# Altium PCB Graviton-RB1.PcbDoc (part 7 of 11)
Units mil, origin at the board's own origin, x right, y up, seen from the top; angles counter-clockwise.
Board outline 7874.02 x 7874.02 mil, 10 copper layers (Top Layer, Internal Plane 1, Signal Layer 1, Internal Plane 2, Signal Layer 2, Signal Layer 3, Internal Plane 3, Signal Layer 4, Internal Plane 4, Bottom Layer), stack 65.914 mil thick; 1299 components, 1517 nets, 7968 pads, 1791 vias.
Unrouted connection lines stored in the file: 4618.
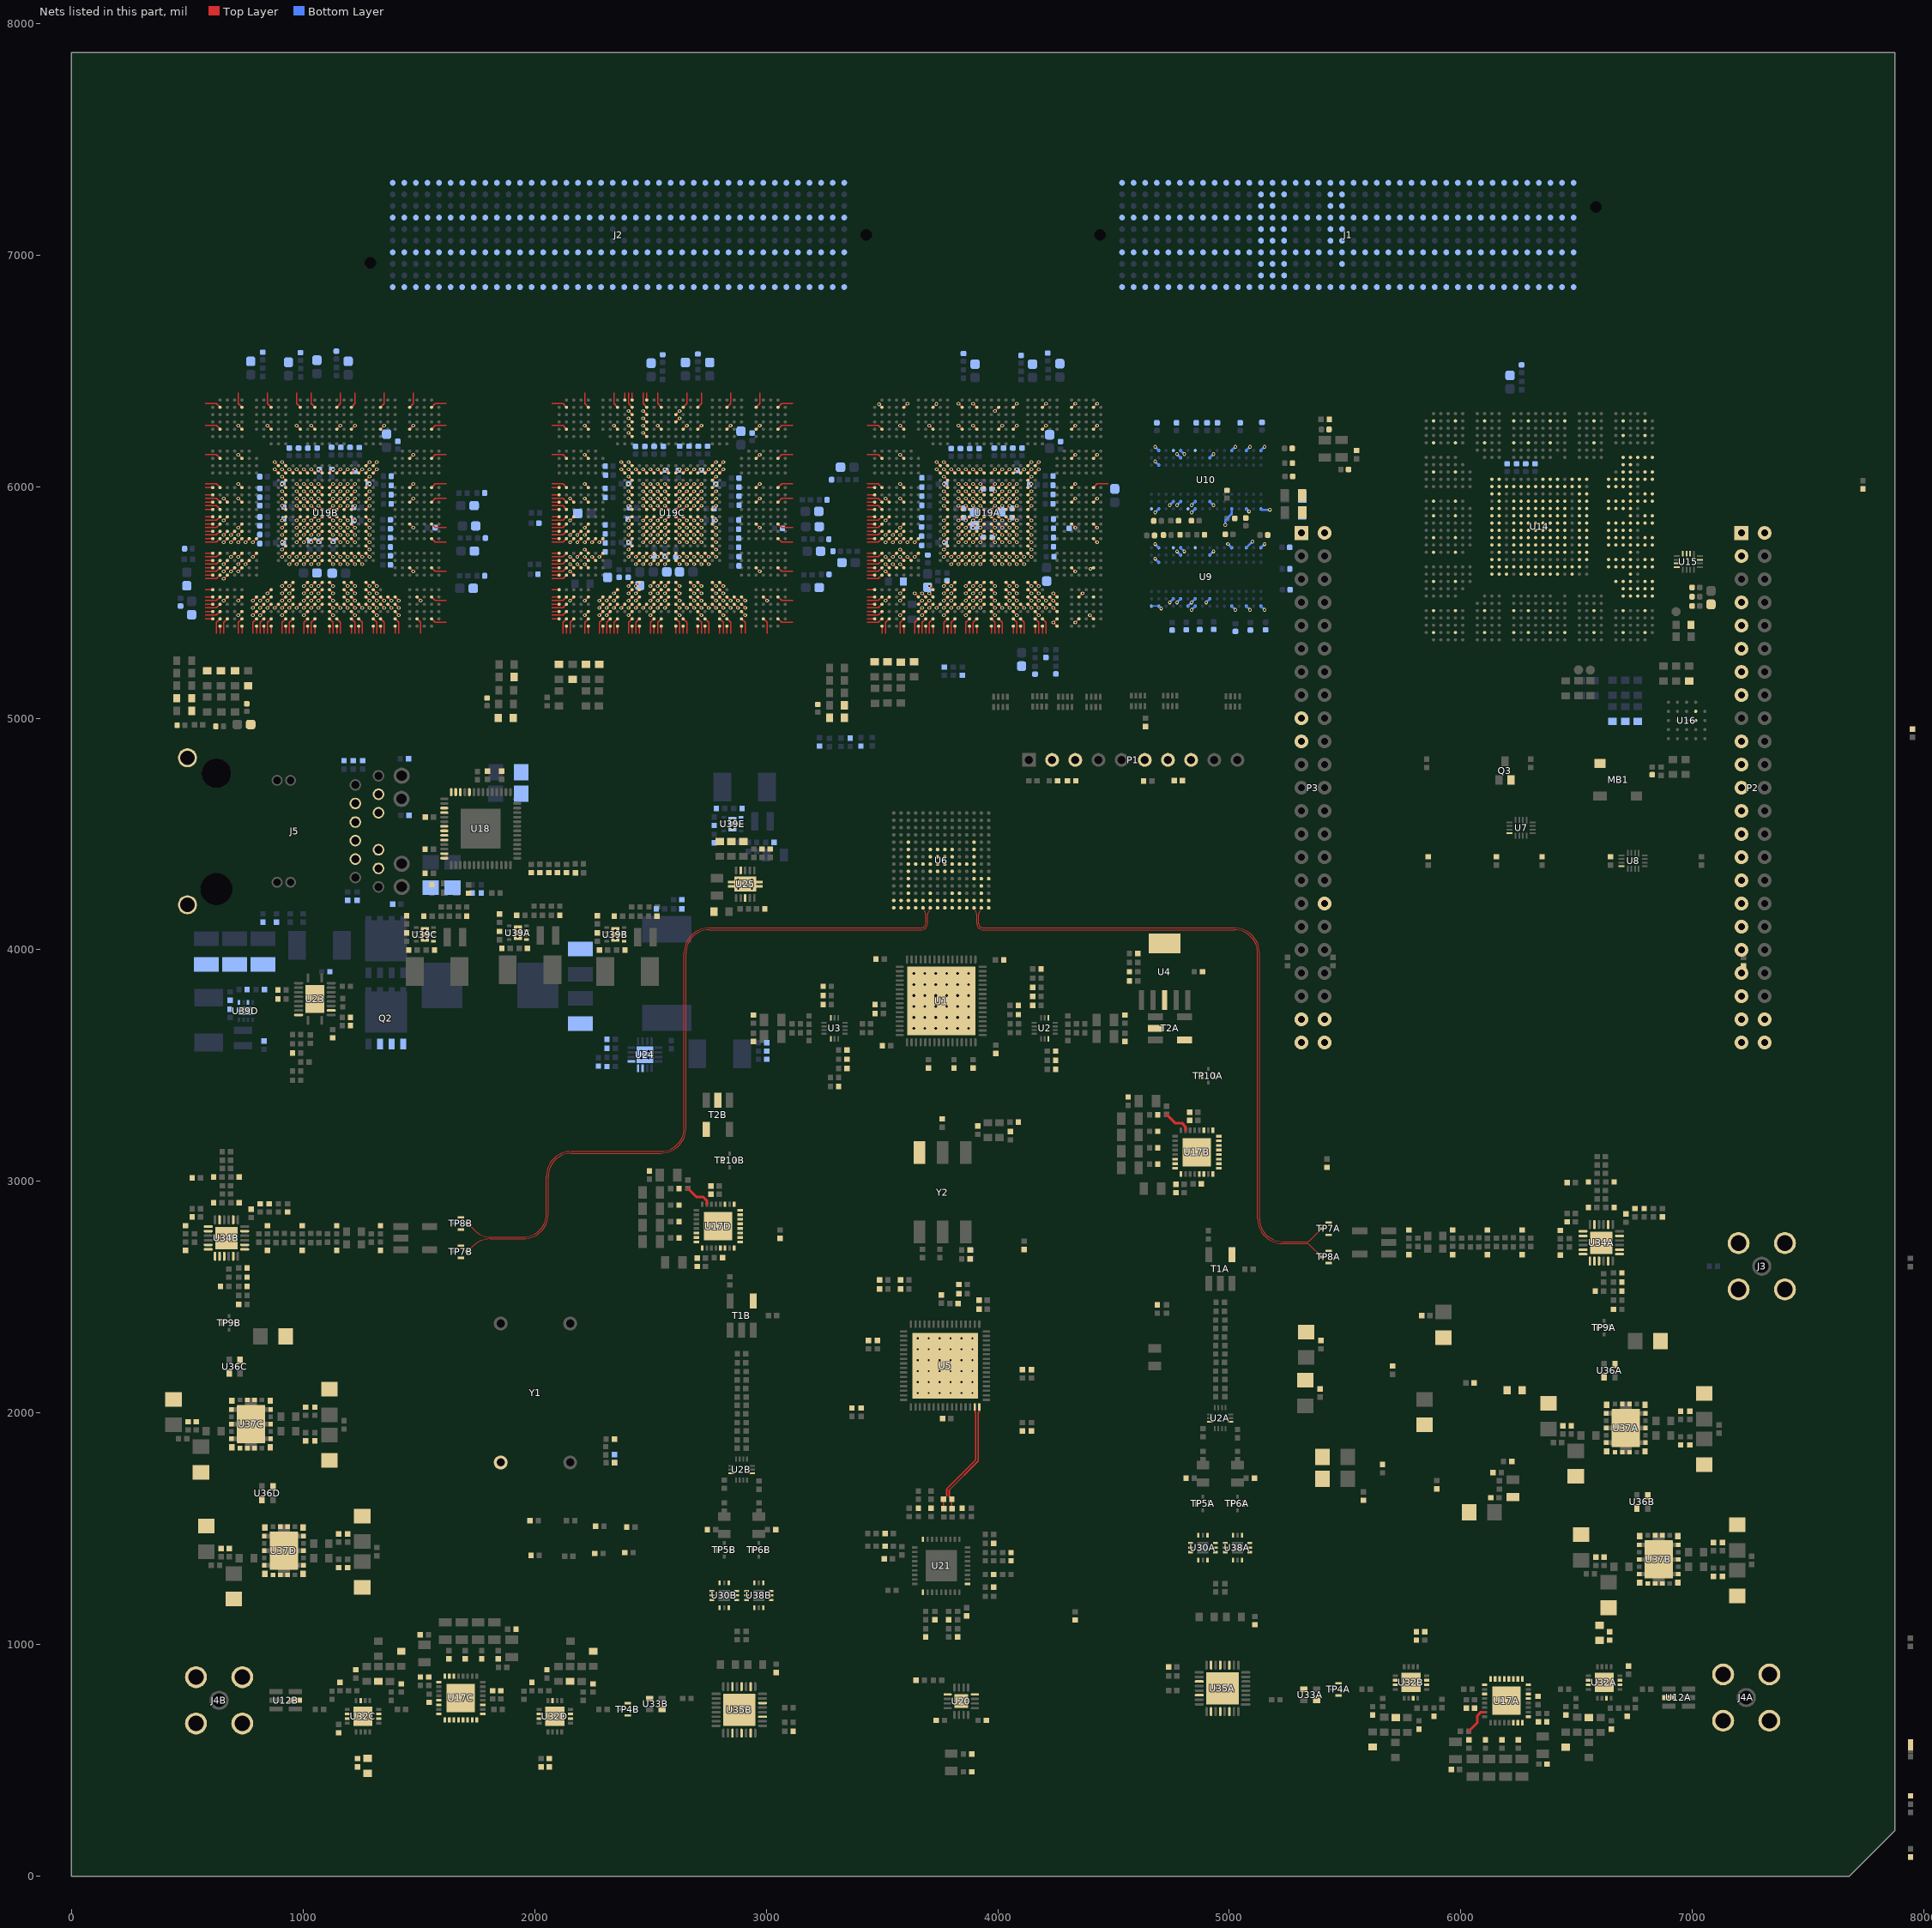
[diagram p15: the nets of this part, all layers, seen from the top]

## Via types
v1: diameter 16, hole 8, Top Layer to Bottom Layer, 1443 vias
v2: diameter 16, hole 8, Top Layer to Bottom Layer, tented top, 173 vias
v3: diameter 18, hole 8, Top Layer to Bottom Layer, 86 vias
v4: diameter 25.98, hole 8, Top Layer to Bottom Layer, tented top, 36 vias
v5: diameter 25.98, hole 12, Top Layer to Bottom Layer, tented top, 36 vias
v6: diameter 23.62, hole 11.81, Top Layer to Bottom Layer, 10 vias
v7: diameter 18, hole 8, Top Layer to Bottom Layer, tented bottom, 5 vias
v8: diameter 16, hole 8, Top Layer to Bottom Layer, tented both sides, 2 vias

## Nets (pads, with @x,y where several pads share a name; then routed paths per layer and width w, separated by ;. In a path a pad name is that pad's centre, name@x,y a point inside that pad or via, vN(x,y) a via of type N, cw(c..) or ccw(c..) an arc to the next point about the centre after c; other vN are vias at no path point) (continued)
GND: (continued)
  Top Layer w5: v1(720.47,5507.87) U19B.AH5@736.22,5523.62 ; v1(720.47,5633.86) U19B.AD5@736.22,5649.61 ; v1(720.47,5822.83) U19B.V5@736.22,5838.58 ; v1(720.47,5948.82) U19B.R5@736.22,5933.07 ; v1(720.47,6011.81) U19B.N5@736.22,5996.06 ; v1(720.47,6137.8) U19B.J5@736.22,6122.05 ; v1(720.47,6263.78) U19B.E5@736.22,6248.03 ; v1(783.46,5444.88) U19B.AK7@799.21,5460.63 ; v1(783.46,5476.38) U19B.AJ7@799.21,5492.13 ; v1(783.46,5507.87) U19B.AH7@799.21,5523.62 ; v1(814.96,5444.88) U19B.AK8@830.71,5460.63 ; v1(814.96,5476.38) U19B.AJ8@830.71,5492.13 ; v1(814.96,5507.87) U19B.AH8@830.71,5523.62 ; v1(846.46,5476.38) U19B.AJ9@862.2,5492.13 ; v1(846.46,5507.87) U19B.AH9@862.2,5523.62 ; v1(846.46,5539.37) U19B.AG9@862.2,5555.12 ; v1(846.46,6263.78) U19B.E9@862.2,6248.03 ; v1(877.95,5476.38) U19B.AJ10@893.7,5492.13 ; v1(877.95,6074.8) U19B.L10@893.7,6059.06 ; v1(877.95,6106.3) U19B.K10@893.7,6090.55 ; v1(909.45,5444.88) U19B.AK11@925.2,5460.63 ; v1(909.45,5476.38) U19B.AJ11@925.2,5492.13 ; v1(909.45,5507.87) U19B.AH11@925.2,5523.62 ; v1(909.45,5539.37) U19B.AG11@925.2,5555.12 ; v1(909.45,5570.87) U19B.AF11@925.2,5586.61 ; v1(909.45,5696.85) U19B.AB11@925.2,5712.6 ; v1(909.45,5728.35) U19B.AA11@925.2,5744.09 ; v1(909.45,5759.84) U19B.Y11@925.2,5775.59 ; v1(909.45,5791.34) U19B.W11@925.2,5807.09 ; v1(909.45,5822.83) U19B.V11@925.2,5838.58 ; v1(909.45,5854.33) U19B.U11@925.2,5870.08 ; v1(909.45,5917.32) U19B.T11@925.2,5901.57 ; v1(909.45,5948.82) U19B.R11@925.2,5933.07 ; v1(909.45,5980.32) U19B.P11@925.2,5964.57 ; v1(909.45,6011.81) U19B.N11@925.2,5996.06 ; v1(909.45,6043.31) U19B.M11@925.2,6027.56 ; v1(909.45,6074.8) U19B.L11@925.2,6059.06 ; v1(909.45,6106.3) U19B.K11@925.2,6090.55 ; v1(940.94,5476.38) U19B.AJ12@956.69,5492.13 ; v1(940.94,5507.87) U19B.AH12@956.69,5523.62 ; v1(940.94,5539.37) U19B.AG12@956.69,5555.12 ; v1(940.94,5570.87) U19B.AF12@956.69,5586.61 ; v1(940.94,5665.35) U19B.AC12@956.69,5681.1 ; v1(940.94,5696.85) U19B.AB12@956.69,5712.6 ; v1(940.94,6074.8) U19B.L12@956.69,6059.06 ; v1(972.44,5476.38) U19B.AJ13@988.19,5492.13 ; v1(972.44,5665.35) U19B.AC13@988.19,5681.1 ; v1(972.44,5696.85) U19B.AB13@988.19,5712.6 ; v1(972.44,5759.84) U19B.Y13@988.19,5775.59 ; v1(972.44,5791.34) U19B.W13@988.19,5807.09 ; v1(972.44,5822.83) U19B.V13@988.19,5838.58 ; v1(972.44,5854.33) U19B.U13@988.19,5870.08 ; v1(972.44,5917.32) U19B.T13@988.19,5901.57 ; v1(972.44,5948.82) U19B.R13@988.19,5933.07 ; v1(972.44,5980.32) U19B.P13@988.19,5964.57 ; v1(972.44,6011.81) U19B.N13@988.19,5996.06 ; v1(972.44,6074.8) U19B.L13@988.19,6059.06 ; v1(972.44,6263.78) U19B.E13@988.19,6248.03 ; v1(1003.94,5444.88) U19B.AK14@1019.68,5460.63 ; v1(1003.94,5476.38) U19B.AJ14@1019.68,5492.13 ; v1(1003.94,5507.87) U19B.AH14@1019.68,5523.62 ; v1(1003.94,5539.37) U19B.AG14@1019.68,5555.12 ; v1(1003.94,5570.87) U19B.AF14@1019.68,5586.61 ; v1(1003.94,5665.35) U19B.AC14@1019.68,5681.1 ; v1(1003.94,5696.85) U19B.AB14@1019.68,5712.6 ; v1(1003.94,5759.84) U19B.Y14@1019.68,5775.59 ; v1(1003.94,5791.34) U19B.W14@1019.68,5807.09 ; v1(1003.94,5822.83) U19B.V14@1019.68,5838.58 ; v1(1003.94,5854.33) U19B.U14@1019.68,5870.08 ; v1(1003.94,5917.32) U19B.T14@1019.68,5901.57 ; v1(1003.94,5948.82) U19B.R14@1019.68,5933.07 ; v1(1003.94,5980.32) U19B.P14@1019.68,5964.57 ; v1(1003.94,6011.81) U19B.N14@1019.68,5996.06 ; v1(1003.94,6074.8) U19B.L14@1019.68,6059.06 ; v1(1035.43,5476.38) U19B.AJ15@1051.18,5492.13 ; v1(1035.43,5507.87) U19B.AH15@1051.18,5523.62 ; v1(1035.43,5539.37) U19B.AG15@1051.18,5555.12 ; v1(1035.43,5570.87) U19B.AF15@1051.18,5586.61 ; v1(1035.43,5665.35) U19B.AC15@1051.18,5681.1 ; v1(1035.43,5696.85) U19B.AB15@1051.18,5712.6 ; v1(1035.43,5759.84) U19B.Y15@1051.18,5775.59 ; v1(1035.43,5791.34) U19B.W15@1051.18,5807.09 ; v1(1035.43,5822.83) U19B.V15@1051.18,5838.58 ; v1(1035.43,5854.33) U19B.U15@1051.18,5870.08 ; v1(1035.43,5917.32) U19B.T15@1051.18,5901.57 ; v1(1035.43,5948.82) U19B.R15@1051.18,5933.07 ; v1(1035.43,5980.32) U19B.P15@1051.18,5964.57 ; v1(1035.43,6011.81) U19B.N15@1051.18,5996.06 ; v1(1035.43,6074.8) U19B.L15@1051.18,6059.06 ; v1(1035.43,6263.78) U19B.E15@1051.18,6248.03 ; v1(1066.93,5476.38) U19B.AJ16@1082.68,5492.13 ; v1(1066.93,5507.87) U19B.AH16@1082.68,5523.62 ; v1(1066.93,5539.37) U19B.AG16@1082.68,5555.12 ; v1(1066.93,5570.87) U19B.AF16@1082.68,5586.61 ; v1(1066.93,5665.35) U19B.AC16@1082.68,5681.1 ; v1(1066.93,5696.85) U19B.AB16@1082.68,5712.6 ; v1(1066.93,5759.84) U19B.Y16@1082.68,5775.59 ; v1(1066.93,5791.34) U19B.W16@1082.68,5807.09 ; v1(1066.93,5822.83) U19B.V16@1082.68,5838.58 ; v1(1066.93,5854.33) U19B.U16@1082.68,5870.08 ; v1(1066.93,5917.32) U19B.T16@1082.68,5901.57 ; v1(1066.93,5948.82) U19B.R16@1082.68,5933.07 ; v1(1066.93,5980.32) U19B.P16@1082.68,5964.57 ; v1(1066.93,6011.81) U19B.N16@1082.68,5996.06 ; v1(1066.93,6074.8) U19B.L16@1082.68,6059.06 ; U19B.AK17@1114.17,5460.63 v1(1129.92,5444.88) ; U19B.AJ17@1114.17,5492.13 v1(1129.92,5476.38) ; U19B.AH17@1114.17,5523.62 v1(1129.92,5507.87) ; U19B.AG17@1114.17,5555.12 v1(1129.92,5539.37) ; U19B.AF17@1114.17,5586.61 v1(1129.92,5570.87) ; U19B.AC17@1114.17,5681.1 v1(1129.92,5665.35) ; U19B.AB17@1114.17,5712.6 v1(1129.92,5696.85) ; U19B.Y17@1114.17,5775.59 v1(1129.92,5759.84) ; U19B.W17@1114.17,5807.09 v1(1129.92,5791.34) ; U19B.V17@1114.17,5838.58 v1(1129.92,5822.83) ; U19B.U17@1114.17,5870.08 v1(1129.92,5854.33) ; U19B.T17@1114.17,5901.57 v1(1129.92,5917.32) ; U19B.R17@1114.17,5933.07 v1(1129.92,5948.82) ; U19B.P17@1114.17,5964.57 v1(1129.92,5980.32) ; U19B.N17@1114.17,5996.06 v1(1129.92,6011.81) ; U19B.L17@1114.17,6059.06 v1(1129.92,6074.8) ; U19B.AJ18@1145.67,5492.13 v1(1161.42,5476.38) ; U19B.AC18@1145.67,5681.1 v1(1161.42,5665.35) ; U19B.AB18@1145.67,5712.6 v1(1161.42,5696.85) ; U19B.Y18@1145.67,5775.59 v1(1161.42,5759.84) ; U19B.W18@1145.67,5807.09 v1(1161.42,5791.34) ; U19B.V18@1145.67,5838.58 v1(1161.42,5822.83) ; U19B.U18@1145.67,5870.08 v1(1161.42,5854.33) ; U19B.T18@1145.67,5901.57 v1(1161.42,5917.32) ; U19B.R18@1145.67,5933.07 v1(1161.42,5948.82) ; U19B.P18@1145.67,5964.57 v1(1161.42,5980.32) ; U19B.N18@1145.67,5996.06 v1(1161.42,6011.81) ; U19B.L18@1145.67,6059.06 v1(1161.42,6074.8) ; U19B.E18@1145.67,6248.03 v1(1161.42,6263.78) ; U19B.AJ19@1177.17,5492.13 v1(1192.91,5476.38) ; U19B.AH19@1177.17,5523.62 v1(1192.91,5507.87) ; U19B.AG19@1177.17,5555.12 v1(1192.91,5539.37) ; U19B.AF19@1177.17,5586.61 v1(1192.91,5570.87) ; U19B.AC19@1177.17,5681.1 v1(1192.91,5665.35) ; U19B.AB19@1177.17,5712.6 v1(1192.91,5696.85) ; U19B.Y19@1177.17,5775.59 v1(1192.91,5759.84) ; U19B.W19@1177.17,5807.09 v1(1192.91,5791.34) ; U19B.V19@1177.17,5838.58 v1(1192.91,5822.83) ; U19B.U19@1177.17,5870.08 v1(1192.91,5854.33) ; U19B.T19@1177.17,5901.57 v1(1192.91,5917.32) ; U19B.R19@1177.17,5933.07 v1(1192.91,5948.82) ; U19B.P19@1177.17,5964.57 v1(1192.91,5980.32) ; U19B.N19@1177.17,5996.06 v1(1192.91,6011.81) ; U19B.L19@1177.17,6059.06 v1(1192.91,6074.8) ; U19B.AK20@1208.66,5460.63 v1(1224.41,5444.88) ; U19B.AJ20@1208.66,5492.13 v1(1224.41,5476.38) ; U19B.AH20@1208.66,5523.62 v1(1224.41,5507.87) ; U19B.AG20@1208.66,5555.12 v1(1224.41,5539.37) ; U19B.AF20@1208.66,5586.61 v1(1224.41,5570.87) ; U19B.AC20@1208.66,5681.1 v1(1224.41,5665.35) ; U19B.AB20@1208.66,5712.6 v1(1224.41,5696.85) ; U19B.Y20@1208.66,5775.59 v1(1224.41,5759.84) ; U19B.W20@1208.66,5807.09 v1(1224.41,5791.34) ; U19B.V20@1208.66,5838.58 v1(1224.41,5822.83) ; U19B.U20@1208.66,5870.08 v1(1224.41,5854.33) ; U19B.T20@1208.66,5901.57 v1(1224.41,5917.32) ; U19B.R20@1208.66,5933.07 v1(1224.41,5948.82) ; U19B.P20@1208.66,5964.57 v1(1224.41,5980.32) ; U19B.N20@1208.66,5996.06 v1(1224.41,6011.81) ; U19B.L20@1208.66,6059.06 v1(1224.41,6074.8) ; U19B.E20@1208.66,6248.03 v1(1224.41,6263.78) ; U19B.AJ21@1240.16,5492.13 v1(1255.91,5476.38) ; U19B.AC21@1240.16,5681.1 v1(1255.91,5665.35) ; U19B.AB21@1240.16,5712.6 v1(1255.91,5696.85) ; U19B.L21@1240.16,6059.06 v1(1255.91,6074.8) ; U19B.AJ22@1271.65,5492.13 v1(1287.4,5476.38) ; U19B.AH22@1271.65,5523.62 v1(1287.4,5507.87) ; U19B.AG22@1271.65,5555.12 v1(1287.4,5539.37) ; U19B.AF22@1271.65,5586.61 v1(1287.4,5570.87) ; U19B.AB22@1271.65,5712.6 v1(1287.4,5696.85) ; U19B.AA22@1271.65,5744.09 v1(1287.4,5728.35) ; U19B.Y22@1271.65,5775.59 v1(1287.4,5759.84) ; U19B.W22@1271.65,5807.09 v1(1287.4,5791.34) ; U19B.V22@1271.65,5838.58 v1(1287.4,5822.83) ; U19B.U22@1271.65,5870.08 v1(1287.4,5854.33) ; U19B.T22@1271.65,5901.57 v1(1287.4,5917.32) ; U19B.R22@1271.65,5933.07 v1(1287.4,5948.82) ; U19B.P22@1271.65,5964.57 v1(1287.4,5980.32) ; U19B.N22@1271.65,5996.06 v1(1287.4,6011.81) ; U19B.M22@1271.65,6027.56 v1(1287.4,6043.31) ; U19B.L22@1271.65,6059.06 v1(1287.4,6074.8) ; U19B.K22@1271.65,6090.55 v1(1287.4,6106.3) ; U19B.AK23@1303.15,5460.63 v1(1318.9,5444.88) ; U19B.AJ23@1303.15,5492.13 v1(1318.9,5476.38) ; U19B.AH23@1303.15,5523.62 v1(1318.9,5507.87) ; U19B.AG23@1303.15,5555.12 v1(1318.9,5539.37) ; U19B.AF23@1303.15,5586.61 v1(1318.9,5570.87) ; U19B.L23@1303.15,6059.06 v1(1318.9,6074.8) ; U19B.K23@1303.15,6090.55 v1(1318.9,6106.3) ; U19B.AJ24@1334.65,5492.13 v1(1350.39,5476.38) ; U19B.AH24@1334.65,5523.62 v1(1350.39,5507.87) ; U19B.E24@1334.65,6248.03 v1(1350.39,6263.78) ; U19B.AJ25@1366.14,5492.13 v1(1381.89,5476.38) ; U19B.AH25@1366.14,5523.62 v1(1381.89,5507.87) ; U19B.AK26@1397.64,5460.63 v1(1413.39,5444.88) ; U19B.AJ26@1397.64,5492.13 v1(1413.39,5476.38) ; U19B.AH26@1397.64,5523.62 v1(1413.39,5507.87) ; U19B.AD28@1460.63,5649.61 v1(1476.38,5633.86) ; U19B.V28@1460.63,5838.58 v1(1476.38,5822.83) ; U19B.R28@1460.63,5933.07 v1(1476.38,5948.82) ; U19B.N28@1460.63,5996.06 v1(1476.38,6011.81) ; U19B.J28@1460.63,6122.05 v1(1476.38,6137.8) ; U19B.E28@1460.63,6248.03 v1(1476.38,6263.78) ; U19B.AH29@1492.13,5523.62 v1(1507.87,5507.87) ; v1(2216.54,5507.87) U19C.AH5@2232.28,5523.62 ; v1(2216.54,5665.35) U19C.AD5@2232.28,5649.61 ; v1(2216.54,5822.83) U19C.V5@2232.28,5838.58 ; v1(2216.54,5948.82) U19C.R5@2232.28,5933.07 ; v1(2216.54,6011.81) U19C.N5@2232.28,5996.06 ; v1(2216.54,6137.8) U19C.J5@2232.28,6122.05 ; v1(2216.54,6263.78) U19C.E5@2232.28,6248.03 ; v1(2279.53,5444.88) U19C.AK7@2295.28,5460.63 ; v1(2279.53,5476.38) U19C.AJ7@2295.28,5492.13 ; v1(2279.53,5507.87) U19C.AH7@2295.28,5523.62 ; v1(2311.02,5444.88) U19C.AK8@2326.77,5460.63 ; v1(2311.02,5476.38) U19C.AJ8@2326.77,5492.13 ; v1(2311.02,5507.87) U19C.AH8@2326.77,5523.62 ; v1(2342.52,5476.38) U19C.AJ9@2358.27,5492.13 ; v1(2342.52,5507.87) U19C.AH9@2358.27,5523.62 ; v1(2342.52,5539.37) U19C.AG9@2358.27,5555.12 ; v1(2342.52,6263.78) U19C.E9@2358.27,6248.03 ; v1(2374.02,5476.38) U19C.AJ10@2389.76,5492.13 ; v1(2374.02,6074.8) U19C.L10@2389.76,6059.06 ; v1(2374.02,6106.3) U19C.K10@2389.76,6090.55 ; v1(2405.51,5444.88) U19C.AK11@2421.26,5460.63 ; v1(2405.51,5476.38) U19C.AJ11@2421.26,5492.13 ; v1(2405.51,5507.87) U19C.AH11@2421.26,5523.62 ; v1(2405.51,5539.37) U19C.AG11@2421.26,5555.12 ; v1(2405.51,5570.87) U19C.AF11@2421.26,5586.61 ; v1(2405.51,5696.85) U19C.AB11@2421.26,5712.6 ; v1(2405.51,5728.35) U19C.AA11@2421.26,5744.09 ; v1(2405.51,5759.84) U19C.Y11@2421.26,5775.59 ; v1(2405.51,5791.34) U19C.W11@2421.26,5807.09 ; v1(2405.51,5822.83) U19C.V11@2421.26,5838.58 ; v1(2405.51,5854.33) U19C.U11@2421.26,5870.08 ; v1(2405.51,5917.32) U19C.T11@2421.26,5901.57 ; v1(2405.51,5948.82) U19C.R11@2421.26,5933.07 ; v1(2405.51,5980.32) U19C.P11@2421.26,5964.57 ; v1(2405.51,6011.81) U19C.N11@2421.26,5996.06 ; v1(2405.51,6043.31) U19C.M11@2421.26,6027.56 ; v1(2405.51,6074.8) U19C.L11@2421.26,6059.06 ; v1(2405.51,6106.3) U19C.K11@2421.26,6090.55 ; v1(2437.01,5476.38) U19C.AJ12@2452.76,5492.13 ; v1(2437.01,5507.87) U19C.AH12@2452.76,5523.62 ; v1(2437.01,5539.37) U19C.AG12@2452.76,5555.12 ; v1(2437.01,5570.87) U19C.AF12@2452.76,5586.61 ; v1(2437.01,5665.35) U19C.AC12@2452.76,5681.1 ; v1(2437.01,5696.85) U19C.AB12@2452.76,5712.6 ; v1(2437.01,6074.8) U19C.L12@2452.76,6059.06 ; v1(2468.5,5476.38) U19C.AJ13@2484.25,5492.13 ; v1(2468.5,5665.35) U19C.AC13@2484.25,5681.1 ; v1(2468.5,5696.85) U19C.AB13@2484.25,5712.6 ; v1(2468.5,5759.84) U19C.Y13@2484.25,5775.59 ; v1(2468.5,5791.34) U19C.W13@2484.25,5807.09 ; v1(2468.5,5822.83) U19C.V13@2484.25,5838.58 ; v1(2468.5,5854.33) U19C.U13@2484.25,5870.08 ; v1(2468.5,5917.32) U19C.T13@2484.25,5901.57 ; v1(2468.5,5948.82) U19C.R13@2484.25,5933.07 ; v1(2468.5,5980.32) U19C.P13@2484.25,5964.57 ; v1(2468.5,6011.81) U19C.N13@2484.25,5996.06 ; v1(2468.5,6074.8) U19C.L13@2484.25,6059.06 ; v1(2468.5,6263.78) U19C.E13@2484.25,6248.03 ; v1(2500,5444.88) U19C.AK14@2515.75,5460.63 ; v1(2500,5476.38) U19C.AJ14@2515.75,5492.13 ; v1(2500,5507.87) U19C.AH14@2515.75,5523.62 ; v1(2500,5539.37) U19C.AG14@2515.75,5555.12 ; v1(2500,5570.87) U19C.AF14@2515.75,5586.61 ; v1(2500,5665.35) U19C.AC14@2515.75,5681.1 ; v1(2500,5696.85) U19C.AB14@2515.75,5712.6 ; v1(2500,5759.84) U19C.Y14@2515.75,5775.59 ; v1(2500,5791.34) U19C.W14@2515.75,5807.09 ; v1(2500,5822.83) U19C.V14@2515.75,5838.58 ; v1(2500,5854.33) U19C.U14@2515.75,5870.08 ; v1(2500,5917.32) U19C.T14@2515.75,5901.57 ; v1(2500,5948.82) U19C.R14@2515.75,5933.07 ; v1(2500,5980.32) U19C.P14@2515.75,5964.57 ; v1(2500,6011.81) U19C.N14@2515.75,5996.06 ; v1(2500,6074.8) U19C.L14@2515.75,6059.06 ; v1(2531.5,5476.38) U19C.AJ15@2547.24,5492.13 ; v1(2531.5,5507.87) U19C.AH15@2547.24,5523.62 ; v1(2531.5,5539.37) U19C.AG15@2547.24,5555.12 ; v1(2531.5,5570.87) U19C.AF15@2547.24,5586.61 ; v1(2531.5,5665.35) U19C.AC15@2547.24,5681.1 ; v1(2531.5,5696.85) U19C.AB15@2547.24,5712.6 ; v1(2531.5,5759.84) U19C.Y15@2547.24,5775.59 ; v1(2531.5,5791.34) U19C.W15@2547.24,5807.09 ; v1(2531.5,5822.83) U19C.V15@2547.24,5838.58 ; v1(2531.5,5854.33) U19C.U15@2547.24,5870.08 ; v1(2531.5,5917.32) U19C.T15@2547.24,5901.57 ; v1(2531.5,5948.82) U19C.R15@2547.24,5933.07 ; v1(2531.5,5980.32) U19C.P15@2547.24,5964.57 ; v1(2531.5,6011.81) U19C.N15@2547.24,5996.06 ; v1(2531.5,6074.8) U19C.L15@2547.24,6059.06 ; v1(2531.5,6263.78) U19C.E15@2547.24,6248.03 ; v1(2562.99,5476.38) U19C.AJ16@2578.74,5492.13 ; v1(2562.99,5507.87) U19C.AH16@2578.74,5523.62 ; v1(2562.99,5539.37) U19C.AG16@2578.74,5555.12 ; v1(2562.99,5570.87) U19C.AF16@2578.74,5586.61 ; v1(2562.99,5665.35) U19C.AC16@2578.74,5681.1 ; v1(2562.99,5696.85) U19C.AB16@2578.74,5712.6 ; v1(2562.99,5759.84) U19C.Y16@2578.74,5775.59 ; v1(2562.99,5791.34) U19C.W16@2578.74,5807.09 ; v1(2562.99,5822.83) U19C.V16@2578.74,5838.58 ; v1(2562.99,5854.33) U19C.U16@2578.74,5870.08 ; v1(2562.99,5917.32) U19C.T16@2578.74,5901.57 ; v1(2562.99,5948.82) U19C.R16@2578.74,5933.07 ; v1(2562.99,5980.32) U19C.P16@2578.74,5964.57 ; v1(2562.99,6011.81) U19C.N16@2578.74,5996.06 ; v1(2562.99,6074.8) U19C.L16@2578.74,6059.06 ; U19C.AK17@2610.24,5460.63 v1(2625.98,5444.88) ; U19C.AJ17@2610.24,5492.13 v1(2625.98,5476.38) ; U19C.AH17@2610.24,5523.62 v1(2625.98,5507.87) ; U19C.AG17@2610.24,5555.12 v1(2625.98,5539.37) ; U19C.AF17@2610.24,5586.61 v1(2625.98,5570.87) ; U19C.AC17@2610.24,5681.1 v1(2625.98,5665.35) ; U19C.AB17@2610.24,5712.6 v1(2625.98,5696.85) ; U19C.Y17@2610.24,5775.59 v1(2625.98,5759.84) ; U19C.W17@2610.24,5807.09 v1(2625.98,5791.34) ; U19C.V17@2610.24,5838.58 v1(2625.98,5822.83) ; U19C.U17@2610.24,5870.08 v1(2625.98,5854.33) ; U19C.T17@2610.24,5901.57 v1(2625.98,5917.32) ; U19C.R17@2610.24,5933.07 v1(2625.98,5948.82) ; U19C.P17@2610.24,5964.57 v1(2625.98,5980.32) ; U19C.N17@2610.24,5996.06 v1(2625.98,6011.81) ; U19C.L17@2610.24,6059.06 v1(2625.98,6074.8) ; U19C.AJ18@2641.73,5492.13 v1(2657.48,5476.38) ; U19C.AC18@2641.73,5681.1 v1(2657.48,5665.35) ; U19C.AB18@2641.73,5712.6 v1(2657.48,5696.85) ; U19C.Y18@2641.73,5775.59 v1(2657.48,5759.84) ; U19C.W18@2641.73,5807.09 v1(2657.48,5791.34) ; U19C.V18@2641.73,5838.58 v1(2657.48,5822.83) ; U19C.U18@2641.73,5870.08 v1(2657.48,5854.33) ; U19C.T18@2641.73,5901.57 v1(2657.48,5917.32) ; U19C.R18@2641.73,5933.07 v1(2657.48,5948.82) ; U19C.P18@2641.73,5964.57 v1(2657.48,5980.32) ; U19C.N18@2641.73,5996.06 v1(2657.48,6011.81) ; U19C.L18@2641.73,6059.06 v1(2657.48,6074.8) ; U19C.E18@2641.73,6248.03 v1(2657.48,6263.78) ; U19C.AJ19@2673.23,5492.13 v1(2688.98,5476.38) ; U19C.AH19@2673.23,5523.62 v1(2688.98,5507.87) ; U19C.AG19@2673.23,5555.12 v1(2688.98,5539.37) ; U19C.AF19@2673.23,5586.61 v1(2688.98,5570.87) ; U19C.AC19@2673.23,5681.1 v1(2688.98,5665.35) ; U19C.AB19@2673.23,5712.6 v1(2688.98,5696.85) ; U19C.Y19@2673.23,5775.59 v1(2688.98,5759.84) ; U19C.W19@2673.23,5807.09 v1(2688.98,5791.34) ; U19C.V19@2673.23,5838.58 v1(2688.98,5822.83) ; U19C.U19@2673.23,5870.08 v1(2688.98,5854.33) ; U19C.T19@2673.23,5901.57 v1(2688.98,5917.32) ; U19C.R19@2673.23,5933.07 v1(2688.98,5948.82) ; U19C.P19@2673.23,5964.57 v1(2688.98,5980.32) ; U19C.N19@2673.23,5996.06 v1(2688.98,6011.81) ; U19C.L19@2673.23,6059.06 v1(2688.98,6074.8) ; U19C.AK20@2704.72,5460.63 v1(2720.47,5444.88) ; U19C.AJ20@2704.72,5492.13 v1(2720.47,5476.38) ; U19C.AH20@2704.72,5523.62 v1(2720.47,5507.87) ; U19C.AG20@2704.72,5555.12 v1(2720.47,5539.37) ; U19C.AF20@2704.72,5586.61 v1(2720.47,5570.87) ; U19C.AC20@2704.72,5681.1 v1(2720.47,5665.35) ; U19C.AB20@2704.72,5712.6 v1(2720.47,5696.85) ; U19C.Y20@2704.72,5775.59 v1(2720.47,5759.84) ; U19C.W20@2704.72,5807.09 v1(2720.47,5791.34) ; U19C.V20@2704.72,5838.58 v1(2720.47,5822.83) ; U19C.U20@2704.72,5870.08 v1(2720.47,5854.33) ; U19C.T20@2704.72,5901.57 v1(2720.47,5917.32) ; U19C.R20@2704.72,5933.07 v1(2720.47,5948.82) ; U19C.P20@2704.72,5964.57 v1(2720.47,5980.32) ; U19C.N20@2704.72,5996.06 v1(2720.47,6011.81) ; U19C.L20@2704.72,6059.06 v1(2720.47,6074.8) ; U19C.E20@2704.72,6248.03 v1(2720.47,6263.78) ; U19C.AJ21@2736.22,5492.13 v1(2751.97,5476.38) ; U19C.AC21@2736.22,5681.1 v1(2751.97,5665.35) ; U19C.AB21@2736.22,5712.6 v1(2751.97,5696.85) ; U19C.L21@2736.22,6059.06 v1(2751.97,6074.8) ; U19C.AJ22@2767.72,5492.13 v1(2783.46,5476.38) ; U19C.AH22@2767.72,5523.62 v1(2783.46,5507.87) ; U19C.AG22@2767.72,5555.12 v1(2783.46,5539.37) ; U19C.AF22@2767.72,5586.61 v1(2783.46,5570.87) ; U19C.AB22@2767.72,5712.6 v1(2783.46,5696.85) ; U19C.AA22@2767.72,5744.09 v1(2783.46,5728.35) ; U19C.Y22@2767.72,5775.59 v1(2783.46,5759.84) ; U19C.W22@2767.72,5807.09 v1(2783.46,5791.34) ; U19C.V22@2767.72,5838.58 v1(2783.46,5822.83) ; U19C.U22@2767.72,5870.08 v1(2783.46,5854.33) ; U19C.T22@2767.72,5901.57 v1(2783.46,5917.32) ; U19C.R22@2767.72,5933.07 v1(2783.46,5948.82) ; U19C.P22@2767.72,5964.57 v1(2783.46,5980.32) ; U19C.N22@2767.72,5996.06 v1(2783.46,6011.81) ; U19C.M22@2767.72,6027.56 v1(2783.46,6043.31) ; U19C.L22@2767.72,6059.06 v1(2783.46,6074.8) ; U19C.K22@2767.72,6090.55 v1(2783.46,6106.3) ; U19C.AK23@2799.21,5460.63 v1(2814.96,5444.88) ; U19C.AJ23@2799.21,5492.13 v1(2814.96,5476.38) ; U19C.AH23@2799.21,5523.62 v1(2814.96,5507.87) ; U19C.AG23@2799.21,5555.12 v1(2814.96,5539.37) ; U19C.AF23@2799.21,5586.61 v1(2814.96,5570.87) ; U19C.L23@2799.21,6059.06 v1(2814.96,6074.8) ; U19C.K23@2799.21,6090.55 v1(2814.96,6106.3) ; U19C.AJ24@2830.71,5492.13 v1(2846.46,5476.38) ; U19C.AH24@2830.71,5523.62 v1(2846.46,5507.87) ; U19C.E24@2830.71,6248.03 v1(2846.46,6263.78) ; U19C.AJ25@2862.2,5492.13 v1(2877.95,5476.38) ; U19C.AH25@2862.2,5523.62 v1(2877.95,5507.87) ; U19C.AK26@2893.7,5460.63 v1(2909.45,5444.88) ; U19C.AJ26@2893.7,5492.13 v1(2909.45,5476.38) ; U19C.AH26@2893.7,5523.62 v1(2909.45,5507.87) ; U19C.AD28@2956.69,5649.61 v1(2972.44,5633.86) ; U19C.V28@2956.69,5838.58 v1(2972.44,5822.83) ; U19C.R28@2956.69,5933.07 v1(2972.44,5948.82) ; U19C.N28@2956.69,5996.06 v1(2972.44,6011.81) ; U19C.J28@2956.69,6122.05 v1(2972.44,6137.8) ; U19C.E28@2956.69,6248.03 v1(2972.44,6263.78) ; U19C.AH29@2988.19,5523.62 v1(3003.94,5507.87) ; v1(3578.74,5507.87) U19A.AH5@3594.49,5523.62 ; v1(3578.74,5665.35) U19A.AD5@3594.49,5649.61 ; v1(3578.74,5822.83) U19A.V5@3594.49,5838.58 ; v1(3578.74,5948.82) U19A.R5@3594.49,5933.07 ; v1(3578.74,6011.81) U19A.N5@3594.49,5996.06 ; v1(3578.74,6137.8) U19A.J5@3594.49,6122.05 ; v1(3578.74,6263.78) U19A.E5@3594.49,6248.03 ; v1(3641.73,5539.37) U19A.AH7@3657.48,5523.62 ; U19A.AK7@3657.48,5460.63 v1(3673.23,5476.38) ; U19A.AJ7@3657.48,5492.13 v1(3673.23,5507.87) ; v1(3673.23,5444.88) U19A.AK8@3688.98,5460.63 ; v1(3673.23,5539.37) 